# Altium PCB WX0.012.299PCB-4.2(4).PcbDoc (part 1 of 3) (continued)
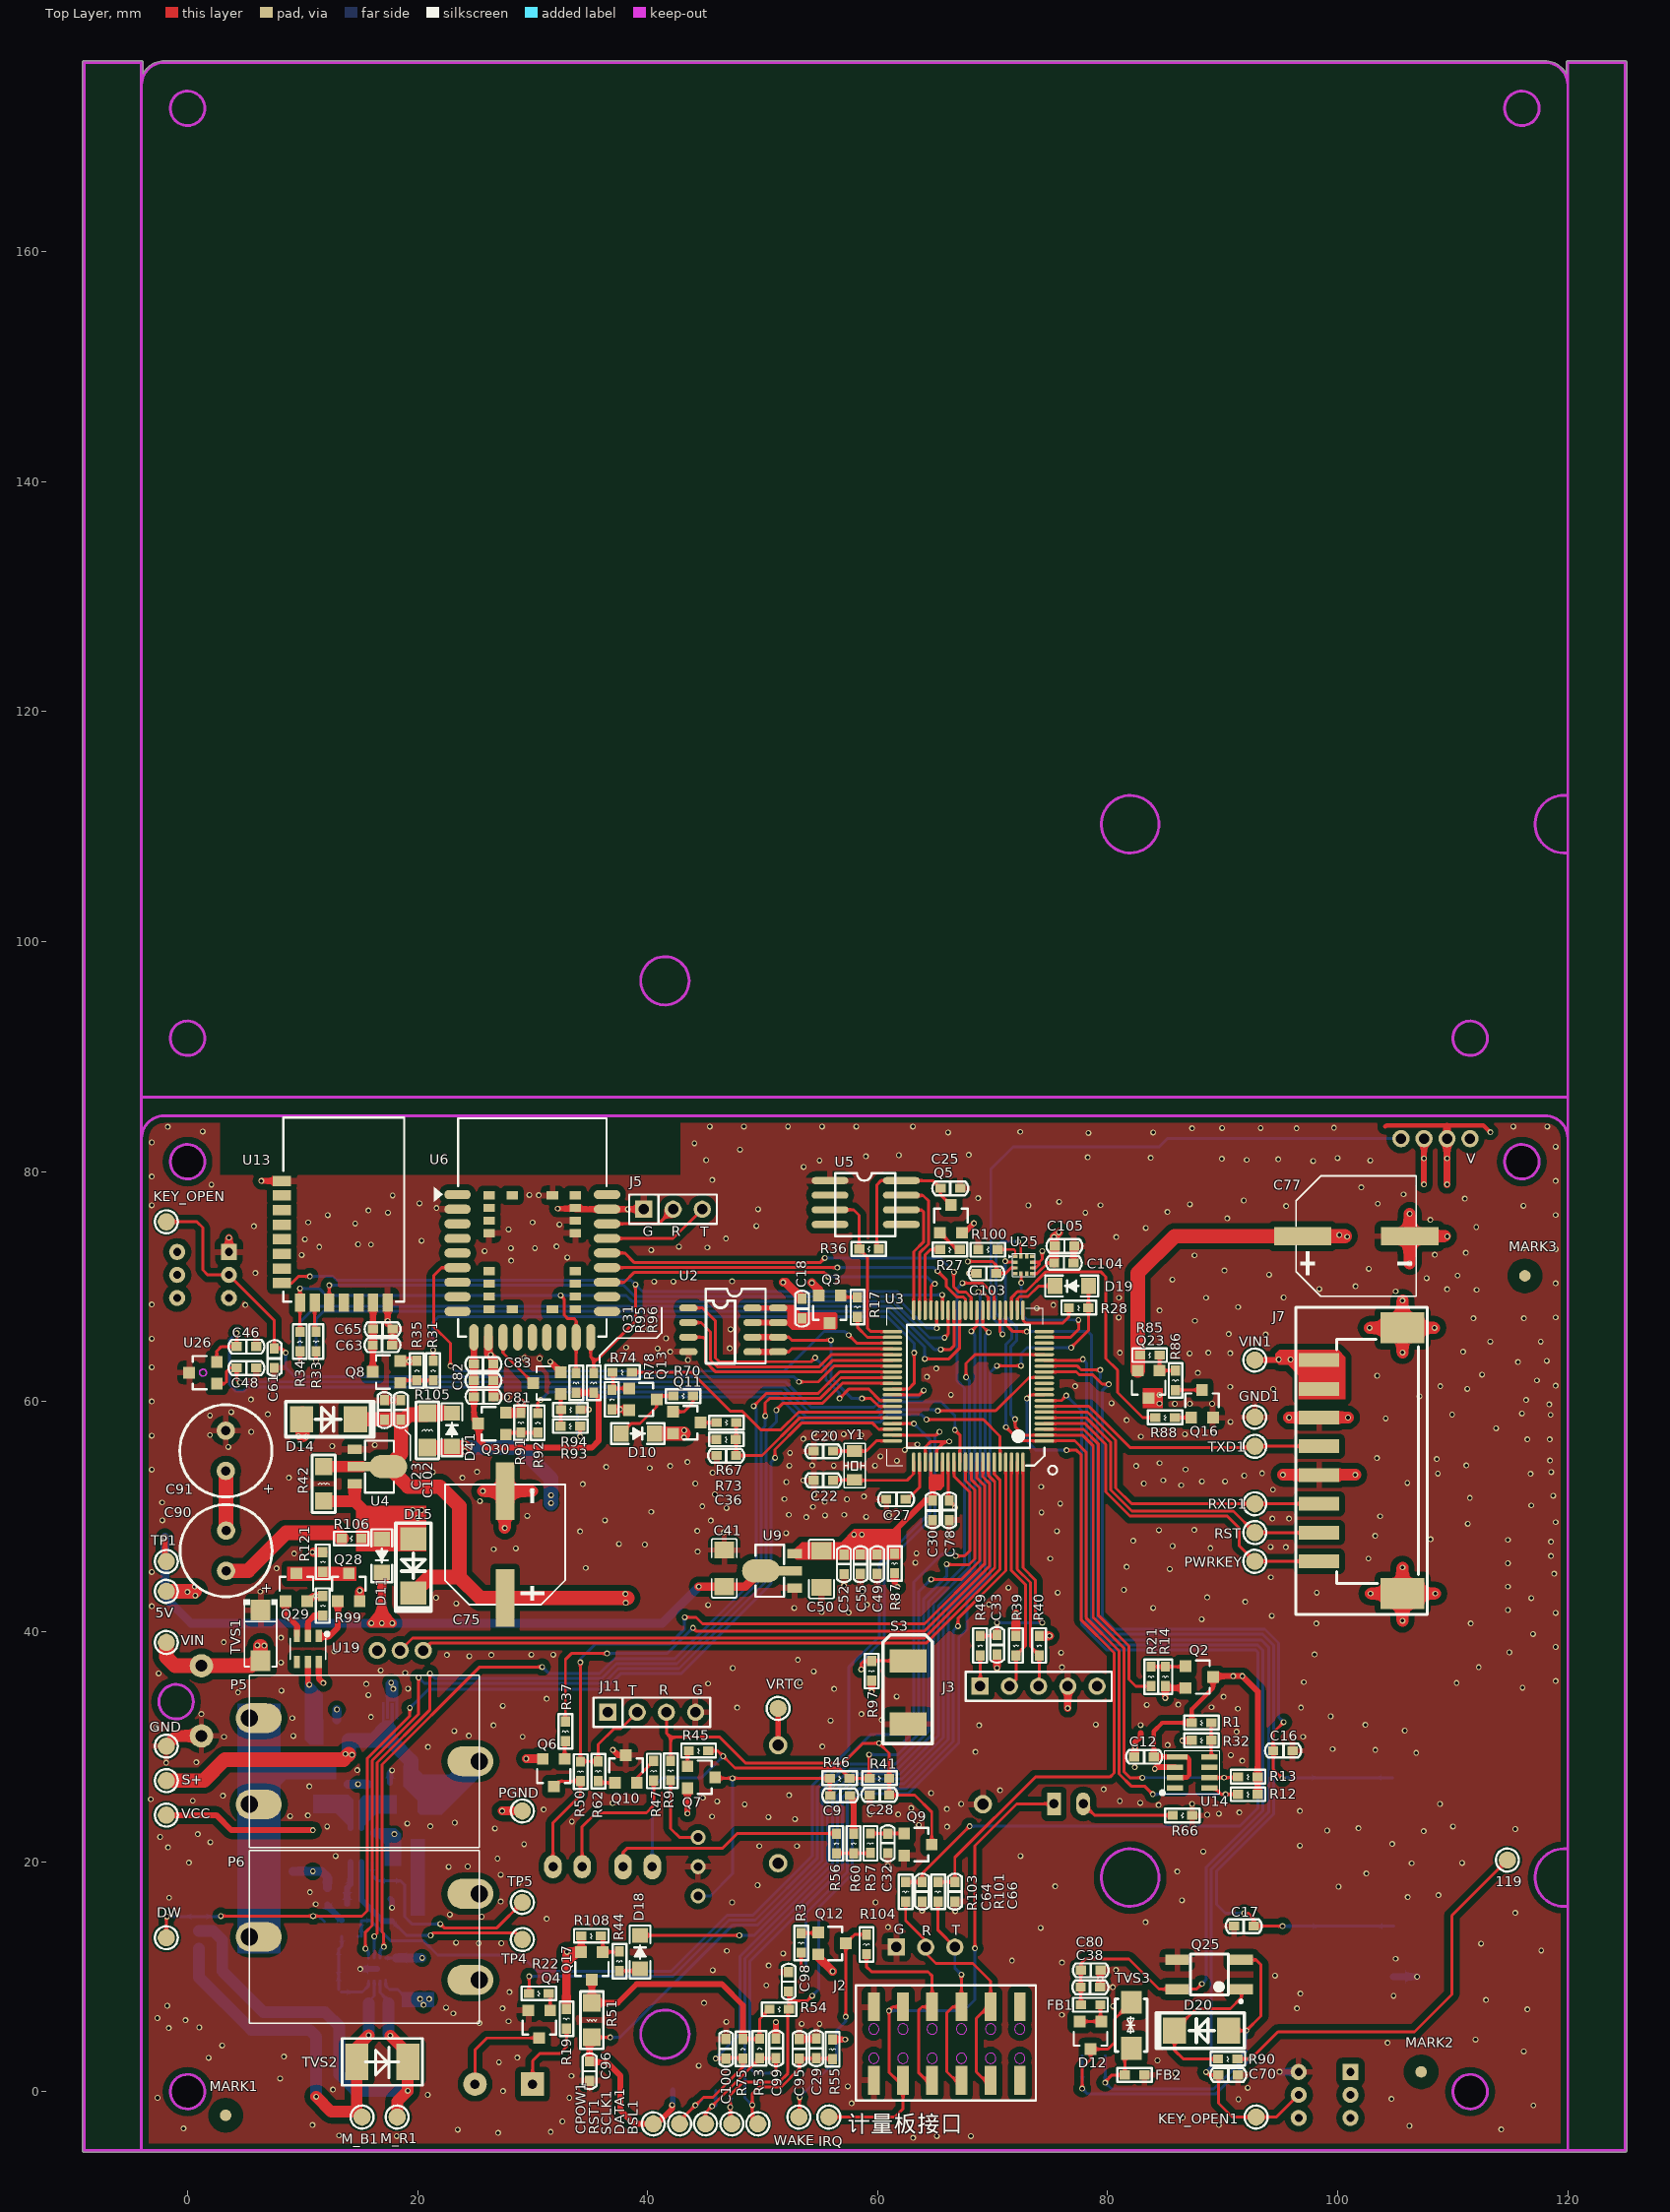
[diagram p0: Top Layer view]
## Classes and differential pairs (continued)

## Components (designator, comment, footprint, x,y, rotation, side; value= is the part's Value field where it differs from the comment)
5V "TEST-PAD" TEST-PAD -1.841,43.509 r90 top
119 "TEST-PAD" TEST-PAD 114.745,20.141 r0 top
* "Bar Code1" "Bar Code1" 56.236,9.119 r180 bottom
B1 "HYT-0903" HYT-0903 30,0.66 r180 bottom locked
BSL1 "TEST-PAD" TEST-PAD 49.581,-2.794 r90 top
C9 "100nF/50V" CAP0603#1 57.573,25.756 r180 top
C10 "100nF/50V" CAP0603#1 19.088,6.247 r90 bottom
C11 "100nF/50V" CAP0603#1 19.456,11.618 r270 bottom
C12 "100nF/50V" CAP0603#1 83.996,29.111 r180 top
C16 "100nF/50V" CAP0603#1 96.076,29.641 r180 top
C17 "100nF/50V" CAP0603#1 90.995,14.396 r0 top
C18 "100nF/50V" CAP0603#1 53.417,67.258 r90 top
C20 "12pF/50V" CAP0603#1 54.433,55.701 r0 top
C22 "12pF/50V" CAP0603#1 54.433,53.161 r0 top
C23 "1uF/16V" CAP0603#1 17.12,58.432 r90 top
C25 "100nF/50V" CAP0603#1 65.482,78.561 r0 top
C27 "100nF/50V" CAP0603#1 62.434,51.502 r180 top
C28 "100pF/50V" CAP0603#1 60.985,25.806 r180 top
C29 "100nF/50V" CAP0603#2 54.667,3.778 r270 top
C30 "100nF/50V" CAP0603#1 64.77,49.72 r90 top
C32 "10pF/50V" CAP0603#1 60.884,22.428 r270 top
C33 "33pF/50V" CAP0603#1 70.372,38.026 r90 top
C35 "1nF/50V" CAP0603#2 14.262,14.897 r180 bottom
C36 "1nF/50V" CAP0603#1 45.999,55.319 r0 top
C38 "100nF/50V" CAP0603#1 77.661,9.092 r0 top
C41 "100uF/10V" GRM31CR60J107ME39L 46.66,43.917 r90 top
C46 "1nF/50V" CAP0603#2 5.131,64.795 r0 top
C48 "1uF/16V" CAP0603#2 5.131,62.941 r0 top
C49 "22pF/50V" CAP0603#1 59.944,45.034 r90 top
C50 "100uF/10V" GRM31CR60J107ME39L 55.118,47.041 r270 top
C52 "1uF/10V" CAP0603#1 57.074,46.698 r270 top
C55 "100nF/50V" CAP0603#1 58.496,45.034 r90 top
C60 "100nF/50V" CAP0603#1 17.463,6.502 r180 bottom
C61 "100nF/50V" CAP0603#1 7.544,62.954 r90 top
C63 "10uF/10V" CAP0603#1 16.116,64.922 r0 top
C64 "33pF/50V" CAP0603#1 63.87,18.224 r270 top
C65 "1uF/16V" CAP0603#1 16.129,66.319 r0 top
C66 "33pF/50V" CAP0603#1 66.714,18.224 r270 top
C67 "100nF/50V" CAP0603#1 13.945,26.724 r270 bottom
C68 "100nF/50V" CAP0603#1 16.002,26.683 r270 bottom
C69 "10nF" CAP0603#1 13.868,17.729 r180 bottom
C70 "100nF/50V" CAP0603#1 91.313,1.448 r180 top
C71 "100nF/50V" CAP0603#1 17.602,26.873 r0 bottom
C72 "100nF/50V" CAP0603#1 12.967,32.334 r180 bottom
C75 "1000uF/16V" CAP-SMD_BD10.0-L10.3-W10.3-FD 27.61,47.574 r90 top locked
C77 "1000uF/16V" CAP-SMD_BD10.0-L10.3-W10.3-FD 101.6,74.397 r0 top locked
C78 "100nF/50V" CAP0603#1 66.218,51.384 r270 top
C80 "10nF/50V" CAP0603#2 78.525,10.565 r0 top
C81 "10uF/10V" CAP0603#1 24.907,60.427 r0 top
C82 "1uF/16V" CAP0603#1 24.892,61.849 r0 top
C83 "33pFF/16V" CAP0603#1 24.892,63.271 r0 top
C90 "1F/2.75V" CAPPC_350_800_1600 3.353,47.041 r90 top
C91 "1F/2.75V" CAPPC_350_800_1600 3.327,55.728 r90 top
C95 "33pF/50V" CAP0603#2 53.194,3.727 r90 top
C96 "33pF/50V" CAP0603#2 34.95,1.778 r90 top
C98 "33pF/50V" CAP0603#2 52.248,9.563 r90 top
C99 "33pF/50V" CAP0603#2 51.156,3.759 r90 top
C100 "33pF/50V" CAP0603#2 46.812,3.734 r90 top
C101 "33pF" CAP0603#2 16.612,7.899 r180 bottom locked
C102 "33pf" CAP0603#2 18.542,59.271 r90 top
C103 "100nF" CAP0603#2 69.457,71.171 r0 top
C104 "100nF" CAP0603#2 76.188,72.06 r180 top
C105 "105" CAP0603#2 76.238,73.533 r180 top
C106 "100nF/50V" CAP0603#1 11.913,14.77 r270 bottom
CPOW1 "TEST-PAD" TEST-PAD 40.488,-2.794 r90 top
D4 "AT205B" LEDRED 33.04,19.562 r180 bottom
D5 "AT405" IR_254_1000_500 39.136,19.562 r180 bottom
D9 "LED_T3R" LED2_300 75.331,25.023 r270 bottom
D10 "LL4148" SOD-123FL 37.622,57.226 r0 top
D11 "DS12W" SOD-123FL 16.891,48.131 r270 top
D12 "BAT54CLT1" SOT-23 78.506,4.901 r180 top
D14 "SS22" DO-214AC 12.255,58.471 r0 top
D15 "SS22" DO-214AC 19.634,45.707 r270 top
D18 "LL4148" SOD-123FL 39.345,10.617 r90 top
D19 "DSK14" SOD-123FL 78.397,70.053 r180 top
D20 "M7A" DO-214AC 88.15,5.31 r180 top
D41 "DS12W" SOD-123FL 22.987,56.035 r90 top
DATA1 "TEST-PAD" TEST-PAD 47.32,-2.794 r90 top
DW "TEST-PAD" TEST-PAD -1.841,13.386 r0 top
FB1 "FB03SN3000_30R" IND0603 77.661,7.568 r0 top
FB2 "FB03SN3000_30R" IND0603 83.185,1.448 r180 top
GND "TEST-PAD" TEST-PAD -1.841,30.047 r90 top
GND1 "TEST-PAD" TEST-PAD 92.787,58.658 r90 top
IRQ "TEST-PAD" TEST-PAD 55.753,-2.211 r0 top
J1 "PH2.0_2AWR" SMT2-2.0 12.192,0.305 r180 bottom
J2 "计量板接口" "计量板插座 2X6Pin" 66.01,4.17 r90 top locked
J3 "Header 5" HDR1X5 68.911,35.254 r0 top
J4 "1.25-6AWR" SMT-1.25-6 45.314,0.102 r180 bottom locked
J5 "PIN254_1*3" PIN254_1*3*WXHJ 39.675,76.733 r0 top
J6 "PH200_1*2R" BAT 61.595,25 r180 bottom locked
J7 "1*8_1" "A2502AWR 1*8" 102,54.868 r90 top locked
J10 "Header 4" SMT-1.25-4 0.991,14.605 r90 bottom
J11 "PIN254_1*4*WXHJ" PIN254_1*4*1100S 36.553,32.99 r0 top
K1 "SWS_4_600_600_430" SWS_4_600_600 100.775,25.094 r180 bottom locked
K2 "SWS_4_600_600_430" SWS_4_600_600 100.858,12.196 r180 bottom locked
KEY_OPEN "TEST-PAD" TEST-PAD -1.841,75.64 r90 top
KEY_OPEN1 "TEST-PAD" TEST-PAD 92.901,-2.211 r90 top
M_B1 "TEST-PAD" TEST-PAD 15.177,-2.211 r90 top
M_R1 "TEST-PAD" TEST-PAD 18.225,-2.211 r90 top
MARK1 "MARK" MARK 3.315,-2.058 r90 top
MARK2 "MARK" MARK 107.252,1.726 r90 top
MARK3 "MARK" MARK 116.269,70.941 r90 top
P1 "LCD_UJ-B1" LCD_JR-H25435AFP 63.996,60.619 r180 bottom locked
P2 "碱电6V" "Header 2" 1.207,30.936 r180 bottom
P3 "PH2.0-2P" SMT2-2.0 78.779,0.177 r180 bottom
P5 "ER14250" SPC1520_3 15.385,28.727 r0 top locked
P6 "ER14250" SPC1520_3 15.385,13.462 r180 top locked
P9 "Component_2" "PCBComponent_1 - duplicate"#1 61.634,12.572 r0 bottom
P10 "PH2.0-2P" "PCBComponent_1 - duplicate2" 17.094,32.131 r90 bottom
PGND "TEST-PAD" TEST-PAD 29.108,24.409 r90 top
PWRKEY "TEST-PAD" TEST-PAD 92.787,46.118 r90 top
Q2 "RZR040P01TL" SOT-23 87.961,36.052 r270 top
Q3 "PNPS-9012" SOT-23 55.83,68.02 r180 top
Q4 "NPNS-9013" SOT-23 30.582,5.867 r180 top
Q5 "PNPS-9012" SOT-23 66.371,75.894 r0 top
Q6 "PNPS-9012" SOT-23 31.839,27.736 r180 top
Q7 "PNPS-9012" SOT-23 44.666,27.339 r270 top
Q8 "UT3401ZG" SOT-23 17.297,62.586 r90 top
Q9 "NPNS-9013" SOT-23 63.5,21.488 r270 top
Q10 "PNPS-9012" SOT-23 38.113,28.066 r0 top
Q11 "PNPS-9012" SOT-23 43.417,58.176 r270 top
Q12 "PNPS-9012" SOT-23 56.02,12.893 r270 top
Q13 "NPNS-9013" SOT-23 39.586,60.198 r270 top
Q16 "NPNS-9013" SOT-23 88.204,59.815 r0 top
Q17 "PNPS-9012" SOT-23 35.154,10.947 r180 top
Q23 "UT3401ZG" SOT-23 83.556,61.504 r180 top
Q25 "01_EL357N9(D)(TA)-G" EL357D 88.836,10.186 r180 top
Q26 "RTR025N03TL" SOT-23 18.847,19.202 r90 bottom
Q27 "RTR025N03TL" SOT-23 18.847,15.799 r90 bottom
Q28 "RTR025N03TL" SOT-23 14.021,43.866 r0 top
Q29 "RTR025N03TL" SOT-23 9.464,43.866 r0 top
Q30 "RZR040P01TL" SOT-23 26.473,58.09 r90 top
Q31 "NPNS-9013" SOT-23 31.248,61.62 r90 top
R1 "10K 5%" RES0603 89.009,32.079 r180 top
R3 "3K 5%" RES0603 53.353,12.095 r90 top
R9 "51R 5%" RES0603 41.999,27.075 r90 top
R12 "5.1K 5%" RES0603 93.041,25.856 r180 top
R13 "5.1K 5%" RES0603 93.041,27.38 r180 top
R14 "2M 5%" RES0603 85,35.254 r90 top
R17 "3K 5%" RES0603 58.243,67.385 r90 top
R19 "51R 5%" RES0603 32.944,5.486 r90 top
R21 "200K 5%" RES0603 83.77,35.254 r90 top
R22 "3K 5%" RES0603 31.394,8.534 r180 top
R27 "3K 5%" RES0603 67.133,73.227 r180 top
R28 "10R 5%" RES0603 78.321,68.174 r180 top
R31 "200K 5%" RES0603 21.361,63.551 r270 top
R32 "10K 5%" RES0603 89.009,30.555 r180 top
R33 "1K 5%" RES0603 11.176,64.389 r90 top
R34 "1K 5%" RES0603 9.779,66.065 r270 top
R35 "2M 5%" RES0603 19.939,63.551 r270 top
R36 "20K 5%" RES0603 58.395,73.279 r0 top
R37 "3K 5%" RES0603 32.855,30.479 r90 top
R39 "10K 5%" RES0603 72.023,39.636 r270 top
R40 "10K 5%" RES0603 74.055,39.636 r270 top
R41 "20K 5%" RES0603 61,27.254 r180 top
R42 "0R 5%" RES1206 11.836,54.356 r270 top
R44 "3K 5%" RES0603 37.541,10.49 r90 top
R45 "3K 5%" RES0603 45.276,29.65 r180 top
R46 "0R 5%" RES0603 57.547,27.254 r180 top
R47 "100R 5%" RES0603 40.526,27.05 r90 top
R49 "100R 5%" RES0603 68.918,39.636 r270 top
R50 "20K 5%" RES0603 34.158,27 r90 top
R51 "51R 5%" RES1206 35.154,4.724 r90 top
R53 "10K 5%" RES0603 49.733,4.597 r270 top
R54 "10K 5%" RES0603 50.597,7.175 r0 top
R55 "1M 5%" RES0603 56.064,2.838 r90 top
R56 "0K 5%" RES0603 56.416,22.428 r270 top
R57 "20K 5%" RES0603 59.36,20.752 r90 top
R60 "47K 5%" RES0603 57.916,22.428 r270 top
R62 "3K 5%" RES0603 35.7,27.018 r90 top
R66 "100R 5%" RES0603 85.649,24.028 r0 top
R67 "47K 5%" RES0603 45.999,58.191 r0 top
R70 "10K 5%" RES0603 42.24,60.503 r0 top
R73 "10K 5%" RES0603 47.676,56.717 r180 top
R74 "10K 5%" RES0603 38.646,62.56 r180 top
R75 "10K 5%" RES0603 48.285,4.572 r270 top
R78 "20K 5%" RES0603 36.893,61.036 r270 top
R80 "1R" RES1206 10.106,11.151 r0 bottom
R81 "1R" RES1206 10.132,8.89 r0 bottom
R82 "22R 5%" RES0603 15.113,13.487 r180 bottom
R85 "2M 5%" RES0603 82.804,64.059 r0 top
R86 "100K 5%" RES0603 85.893,61.009 r90 top
R87 "0R 5%" RES0603 61.468,45.089 r90 top
R88 "3K 5%" RES0603 85.842,58.621 r180 top
R90 "1K 5%" RES0603 91.288,2.845 r180 top
R91 "2M 5%" RES0603 28.994,57.321 r90 top
R92 "200K 5%" RES0603 30.455,59.004 r270 top
R93 "3K 5%" RES0603 34.138,57.871 r180 top
R94 "20K 5%" RES0603 32.461,59.309 r0 top
R95 "5.1K 5%" RES0603 33.785,60.782 r90 top
R96 "5.1K 5%" RES0603 35.306,60.782 r90 top
R97 "1M 5%" RES0603 59.474,35.738 r90 top
R99 "1K 5%" RES0603 11.76,43.104 r270 top
R100 "4.7k" RES0603 68.745,73.228 r0 top
R101 "1K 5%" RES0603 65.253,16.534 r90 top
R103 "1K 5%" RES0603 62.433,16.535 r90 top
R104 "100R 5%" RES0603 59.017,11.962 r90 top
R105 "300R" RES1206 20.853,59.004 r270 top
R106 "0R 5%" RES0603 13.411,48.108 r0 top
R108 "330K 5%" RES0603 35.941,13.538 r180 top
R116 "1K 5%" RES0603 13.868,16.307 r180 bottom
R117 "RC03J_330R" RES1206 20.882,24.968 r180 bottom
R118 "RC03J_330R" RES1206 12.141,27.994 r270 bottom
R119 "RC03J_330R" RES1206 14.021,30.48 r180 bottom
R120 "0R 5%" RES0603 18.11,21.514 r0 bottom
R121 "0R 5%" RES0603 11.76,46.914 r270 top
R122 "0R 5%" RES0603 9.144,19.168 r180 bottom
RST "TEST-PAD" TEST-PAD 92.787,48.618 r90 top
RST1 "TEST-PAD" TEST-PAD 42.774,-2.794 r90 top
RXD1 "TEST-PAD" TEST-PAD 92.787,51.118 r90 top
S1 "Component_4" "PCBComponent_1 - duplicate5" 1.35,71.018 r180 bottom
S2 "Component_4" "PCBComponent_1 - duplicate5" 98.848,-0.282 r180 bottom
S3 "SWS_2_520_300_300" SWS_2_520_300 62.649,37.465 r90 top locked
S+ "TEST-PAD" TEST-PAD -1.841,27.047 r0 top
SCLK1 "TEST-PAD" TEST-PAD 45.034,-2.794 r90 top
TP1 "TEST-PAD" TEST-PAD -1.841,46.101 r0 top
TP4 "TEST-PAD" TEST-PAD 29.108,13.233 r180 top
TP5 "TEST-PAD" TEST-PAD 29.108,16.459 r0 top
TVS1 "SMAJ7.5A" "PCBComponent_1 - duplicate4" 6.35,39.683 r270 top
TVS2 "SMBJ6.0CA" DO-214AA 14.58,2.591 r0 top
TVS3 "SMAJ5.0CA" SMAJ5.0CA 82.042,7.772 r270 top
TXD1 "TEST-PAD" TEST-PAD 92.787,56.118 r90 top
U1 "07_DRV8837DSGR" S-PWSON-N8 16.485,10.668 r90 bottom
U2 "MX25L3206EM2I-12G" SOP-8L-200MIL/SOP-8 43.543,68.147 r0 top
U3 "FM33LG0x8" LQFP80 67.883,61.345 r180 top locked
U4 "CE6232A50P" SOT-89 15.443,54.356 r270 top
U5 "ESAM" SOP-8L-200MIL 55.055,79.223 r0 top
U6 "L-NLEEB21-G5BP4" L-NLEEB21-G5BP4 23.475,78.007 r0 top locked
U7 "MM3220AA1NRH" SOT-23-6 16.073,19.954 r90 bottom
U9 "CE6232A33P" SOT-89 51.867,45.288 r90 top
U12 "IRM-3638T" 接收头 44.387,19.562 r180 bottom locked
U13 "DB809" DB809 8.192,70.306 r0 top locked
U14 "07_HP303B" HP303B 87.335,27.761 r0 top
U19 "R5478N102CD-TR-FF" SOT-23-6_L2.9-W1.6-P0.95-LS2.8-BL 10.47,38.5 r180 top
U25 "DA228" "PCBComponent_1 - duplicate"#2 72.708,71.882 r90 top
U26 "S-5712ACDL1" SOT-23 1.349,62.52 r90 top
VCC "TEST-PAD" TEST-PAD -1.841,24.047 r90 top
VIN "TEST-PAD" TEST-PAD -1.841,39.064 r180 top
VIN1 "TEST-PAD" TEST-PAD 92.787,63.618 r90 top
VRTC "TEST-PAD" TEST-PAD 51.345,33.325 r0 top
WAKE "TEST-PAD" TEST-PAD 53.15,-2.211 r90 top
Y1 "XTALSG12MD_32.768kD" SMD-3215_2P 57.989,55.701 r270 top

## Footprints (in the part's own frame and the unit in brackets; to place one, negate y for a bottom-side part, rotate by r counter-clockwise, add the part's x,y. Pads: shape width x height; smd on the part's side, far side on the other; paste and mask are expansions set on the pad)
"A2502AWR 1*8" [mm]
  rect 1.2x3.5 smd: 1(-8.75,3.625) 2(-6.25,3.625) 3(-3.75,3.625) 4(-1.25,3.625) 5(1.25,3.625) 6(3.75,3.625) 7(6.25,3.625) 8(8.75,3.625)
  rect 2.7x3.8 smd: 9(-11.55,-3.625) 10(11.55,-3.625)
  silkscreen extent -13.35,-5.77 13.35,5.66
"Bar Code1" [mm]
  silkscreen extent 0,0 24.5,6.5
BAT [mm]
  round 1.6 hole 1: 1(10.25,-5.13) 1(10.25,5.13) 2(-7.55,0)
  silkscreen extent -10.25,-10.25 11.43,10.25
CAP0603#1 [mil]
  rect 35x31 smd: 1(-0.49,0) 2(66.51,0)
  silkscreen extent -29,-24 94,23, body extent 1,-15 72,15, height 20
CAP0603#2 [mil]
  rect 35x31 smd: 1(-33.5,0) 2(33.5,0)
  silkscreen extent -61,-24 61,23, body extent -32,-15 39,15, height 20
CAP-SMD_BD10.0-L10.3-W10.3-FD [mm]
  rect 5x1.6 smd: 1(-4.65,0) 2(4.65,0)
  silkscreen extent -5.23,-5.23 5.23,5.23
CAPPC_350_800_1600 [mm]
  round 1.6 hole 0.8: 1(-1.75,0) 2(1.75,0)
  silkscreen extent -4,-4 4,4, body extent -4.01,-4 3.97,4, height 15.11
DB809 [mm]
  rect 1.6x0.9 smd: 1(0,8.89) 2(0,7.62) 3(0,6.35) 4(0,5.08) 5(0,3.81) 6(0,2.54) 7(0,1.27) 8(0,0)
  rect 0.9x1.6 smd: 9(1.59,-1.7) 10(2.86,-1.7) 11(4.13,-1.7) 12(5.4,-1.7) 13(6.67,-1.7) 14(7.94,-1.7) 15(9.21,-1.7)
  silkscreen extent 0.15,-1.6 10.65,14.4
DO-214AA [mil]
  rect 80x125 smd: 1(5,0) 2(180,0)
  silkscreen extent -45,-80 230,80, body extent -13,-77 203,77, height 96
DO-214AC [mil]
  rect 80x90.55 smd: 1(-92.5,0) 2(92.5,0)
  silkscreen extent -146,-60 156,60, body extent -91,-53 90,53, height 94
EL357D [mil]
  rect 80x35 smd: 1(-110,50) 2(-110,-50) 3(110,-50) 4(110,50)
  silkscreen extent -113,-70 65,97
GRM31CR60J107ME39L [mm]
  rect 1.485x1.728 smd: 1(0,0) 2(3.185,0)
  silkscreen extent -0.97,-1.09 4.16,1.09
HDR1X5 [mm] "Connector; Header; 5 Position"
  rect 1.5x1.5 hole 0.9: 1(0,0)
  round 1.5 hole 0.9: 2(2.54,0) 3(5.08,0) 4(7.62,0) 5(10.16,0)
  silkscreen extent -1.27,-1.27 11.43,1.27
"Header 2" [mil]
  round 80 hole 40: 1(0,240) 2(0,0)
  Keep-Out Layer circle w10: c86.51,116.99 r59.05
  silkscreen extent -55,-57 64,295
HP303B [mm]
  rect 1.8x0.5 smd: 1(-1.3,1.35)
  rect 1.4x0.5 smd: 2(-1.5,0.45) 3(-1.5,-0.45) 4(-1.5,-1.35) 5(1.5,-1.35) 6(1.5,-0.45) 7(1.5,0.45) 8(1.5,1.35)
  silkscreen extent -2.74,-1.92 2.39,1.9
HYT-0903 [mil]
  rect 80x80 hole 32: 1(0,0)
  round 80 hole 32: 2(196.85,0)
  silkscreen extent -79,-177 275,177, body extent -78,-176 276,176, height 217
IND0603 [mil]
  rect 35x31 smd: 1(0,0) 2(67,0)
  silkscreen extent -26,-24 92,23, body extent 0,-15 71,15, height 12
IR_254_1000_500 [mil]
  oval 60x86.61 hole 32: 1(50,0) 2(-50,0)
  silkscreen extent -103,-118 118,118
L-NLEEB21-G5BP4 [mm]
  oval 2.3x0.8 smd mask+0.051: 1(0,0) 2(0,-1.27) 3(0,-2.54) 4(0,-3.81) 5(0,-5.08) 6(0,-6.35) 7(0,-7.62) 8(0,-8.89) 9(0,-10.16) 19(13,-10.16) 20(13,-8.89) 21(13,-7.62) 22(13,-6.35) 23(13,-5.08) 24(13,-3.81) 25(13,-2.54) 26(13,-1.27) 27(13,0)
  oval 1.5x0.8 on Mech1 mask+0.051: 1(0.4,0) 2(0.4,-1.27) 3(0.4,-2.54) 4(0.4,-3.81) 5(0.4,-5.08) 6(0.4,-6.35) 7(0.4,-7.62) 8(0.4,-8.89) 9(0.4,-10.16) 19(12.6,-10.16) 20(12.6,-8.89) 21(12.6,-7.62) 22(12.6,-6.35) 23(12.6,-5.08) 24(12.6,-3.81) 25(12.6,-2.54) 26(12.6,-1.27) 27(12.6,0)
  rect 0.4x0.4 on Mech1 paste-2 mask+0.102: 1(10.22,1.04) 2(12.05,1.04)
  oval 0.8x1.5 on Mech1 mask+0.051: 10(1.42,-12.01) 11(2.69,-12.01) 12(3.96,-12.01) 13(5.23,-12.01) 14(6.5,-12.01) 15(7.77,-12.01) 16(9.04,-12.01) 17(10.31,-12.01) 18(11.58,-12.01)
  oval 0.8x2.3 smd mask+0.051: 10(1.42,-12.41) 11(2.69,-12.41) 12(3.96,-12.41) 13(5.23,-12.41) 14(6.5,-12.41) 15(7.77,-12.41) 16(9.04,-12.41) 17(10.31,-12.41) 18(11.58,-12.41)
  rect 1x0.7 smd: 28(10.25,-6.66) 29(10.25,-3.36) 30(10.25,-2.26) 31(10.25,-1.16) 32(10.25,-0.06) 33(8.25,-0.06) 34(4.75,-0.06) 35(2.75,-0.06) 36(2.75,-1.16) 37(2.75,-2.26) 38(2.75,-3.36) 39(2.75,-6.66) 40(2.75,-7.76) 41(2.75,-8.86) 42(2.75,-9.96) 43(4.75,-9.96) 44(8.25,-9.96) 45(10.25,-9.96) 46(10.25,-8.86) 47(10.25,-7.76)
  silkscreen extent -2.04,-12.36 12.95,6.64, body extent 0.05,-12.36 12.95,6.64, height 3
LCD_JR-H25435AFP [mm]
  round 1.5 hole 0.9: 1(-47.5,22.25) 2(-45.5,22.25) 3(-43.5,22.25) 4(-41.5,22.25) 6(43.5,-22.25) 7(45.5,-22.25) 8(47.5,-22.25)
  silkscreen extent -56,-23.75 56,23.75
LED2_300 [mm]
  rect 2x1.2 hole 0.813: 1(0,0)
  oval 2x1.2 hole 0.813: 2(0,-2.54)
  silkscreen extent -2.16,-2.53 2.16,0.91, body extent -1.65,-2.91 1.64,0.39, height 5.51
LEDRED [mil]
  oval 60x78.74 hole 32: 1(50,0) 2(-50,0)
  silkscreen extent -103,-118 118,118
LQFP80 [mm]
  oval 1.7x0.3 smd: 1(-6.6,4.75) 2(-6.6,4.25) 3(-6.6,3.75) 4(-6.6,3.25) 5(-6.6,2.75) 6(-6.6,2.25) 7(-6.6,1.75) 8(-6.6,1.25) 9(-6.6,0.75) 10(-6.6,0.25) 11(-6.6,-0.25) 12(-6.6,-0.75) 13(-6.6,-1.25) 14(-6.6,-1.75) 15(-6.6,-2.25) 16(-6.6,-2.75) 17(-6.6,-3.25) 18(-6.6,-3.75) 19(-6.6,-4.25) 20(-6.6,-4.75) 41(6.6,-4.75) 42(6.6,-4.25) 43(6.6,-3.75) 44(6.6,-3.25) 45(6.6,-2.75) 46(6.6,-2.25) 47(6.6,-1.75) 48(6.6,-1.25) 49(6.6,-0.75) 50(6.6,-0.25) 51(6.6,0.25) 52(6.6,0.75) 53(6.6,1.25) 54(6.6,1.75) 55(6.6,2.25) 56(6.6,2.75) 57(6.6,3.25) 58(6.6,3.75) 59(6.6,4.25) 60(6.6,4.75)
  oval 0.3x1.7 smd: 21(-4.75,-6.6) 22(-4.25,-6.6) 23(-3.75,-6.6) 24(-3.25,-6.6) 25(-2.75,-6.6) 26(-2.25,-6.6) 27(-1.75,-6.6) 28(-1.25,-6.6) 29(-0.75,-6.6) 30(-0.25,-6.6) 31(0.25,-6.6) 32(0.75,-6.6) 33(1.25,-6.6) 34(1.75,-6.6) 35(2.25,-6.6) 36(2.75,-6.6) 37(3.25,-6.6) 38(3.75,-6.6) 39(4.25,-6.6) 40(4.75,-6.6) 61(4.75,6.6) 62(4.25,6.6) 63(3.75,6.6) 64(3.25,6.6) 65(2.75,6.6) 66(2.25,6.6) 67(1.75,6.6) 68(1.25,6.6) 69(0.75,6.6) 70(0.25,6.6) 71(-0.25,6.6) 72(-0.75,6.6) 73(-1.25,6.6) 74(-1.75,6.6) 75(-2.25,6.6) 76(-2.75,6.6) 77(-3.25,6.6) 78(-3.75,6.6) 79(-4.25,6.6) 80(-4.75,6.6)
  silkscreen extent -6.62,-6.81 7.1,6.91, body extent -5.33,-5.33 5.36,5.33, height 2
MARK [mm]
  round 1 smd: 0(0,0)
  round 1 smd far side: 1(0,0)
  Top Layer pour cut-out: -1.5,0 -1.386,-0.574 -1.061,-1.061 -0.574,-1.386 0,-1.5 0,-1.5 0.574,-1.386 1.061,-1.061 1.386,-0.574 1.5,0 1.5,0 1.386,0.574 1.061,1.061 0.574,1.386 0,1.5 0,1.5 -0.574,1.386 -1.061,1.061 -1.386,0.574 -1.5,0
  Bottom Layer pour cut-out: -1.5,0 -1.386,-0.574 -1.061,-1.061 -0.574,-1.386 0,-1.5 0,-1.5 0.574,-1.386 1.061,-1.061 1.386,-0.574 1.5,0 1.5,0 1.386,0.574 1.061,1.061 0.574,1.386 0,1.5 0,1.5 -0.574,1.386 -1.061,1.061 -1.386,0.574 -1.5,0
"PCBComponent_1 - duplicate"#1 [mm]
  rect 1.5x1.5 hole 0.9: 1(0,0)
  round 1.5 hole 0.9: 2(2.54,0) 3(5.08,0)
  silkscreen extent -1.27,-1.27 6.35,1.27
"PCBComponent_1 - duplicate"#2 [mm]
  rect 0.28x0.4 smd mask+0.05: 1(0.75,0.75) 2(0.25,0.75) 3(-0.25,0.75) 4(-0.75,0.75) 7(-0.75,-0.75) 8(-0.25,-0.75) 9(0.25,-0.75) 10(0.75,-0.75)
  rect 0.4x0.28 smd mask+0.05: 5(-0.75,0.25) 6(-0.75,-0.25) 11(0.75,-0.25) 12(0.75,0.25)
  silkscreen extent -1,-1 1,1.27
"PCBComponent_1 - duplicate2" [mm]
  round 0.3 smd mask+0: 1(0,0) 2(1.981,1.041)
  Top Layer region: 2.134,1.219 2.134,0.203 0.33,0.203 0.33,0.406 1.829,0.406 1.829,0.991 0.254,0.991 0.254,1.219
  Top Layer region: -0.152,-0.178 -0.152,0.813 1.651,0.813 1.651,0.584 0.152,0.584 0.152,0.025 1.721,0.025 1.721,-0.178
"PCBComponent_1 - duplicate4" [mm]
  rect 1.8x1.7 smd: 1(-2.192,0) 2(2.192,0)
  silkscreen extent -3.11,-1.48 2.73,1.48
"PCBComponent_1 - duplicate5" [mm]
  rect 1.4x1.4 hole 0.7: 1(-2.25,2)
  round 1.4 hole 0.7: 2(-2.25,0) 3(-2.25,-2) 4(2.25,-2) 5(2.25,0) 6(2.25,2)
  silkscreen extent -3.09,-2.93 3.11,3.56
PIN254_1*3*WXHJ [mm]
  rect 1.5x1.5 hole 0.9: 1(0,0)
  round 1.5 hole 0.9: 2(2.54,0) 3(5.08,0)
  silkscreen extent -1.27,-1.27 6.35,1.27
PIN254_1*4*1100S [mm] "Connector; Header; 4 Position"
  rect 1.5x1.5 hole 0.9: 1(0,0)
  round 1.5 hole 0.9: 2(2.54,0) 3(5.08,0) 4(7.62,0)
  silkscreen extent -1.27,-1.27 8.89,1.27, body extent -1.3,-1.3 8.86,1.24, height 8.54
RES0603 [mil]
  rect 35x31 smd: 1(0,0) 2(67,0)
  silkscreen extent -26,-24 92,23, body extent 0,-15 71,15, height 12
RES1206 [mil]
  rect 60x60 smd: 1(0,0) 2(118.11,0)
  silkscreen extent -39,-39 157,39, body extent -28,-29 150,29, height 20
S-PWSON-N8 [mm]
  rect 0.5x0.28 smd: 1(-0.95,0.75) 2(-0.95,0.25) 3(-0.95,-0.25) 4(-0.95,-0.75) 5(0.95,-0.75) 6(0.95,-0.25) 7(0.95,0.25) 8(0.95,0.75)
  rect 0.9x1.6 smd: 9(0,0)
  silkscreen extent -1.09,-1.05 1.04,1.52, body extent -0.98,-1 1.02,1, height 0.77
SMAJ5.0CA [mm]
  rect 2x1.8 smd: 1(0,0) 2(4,0)
  silkscreen extent -0.3,-1.4 4.3,1.4
SMD-3215_2P [mm]
  rect 1x1.3 smd: 1(0,0) 2(2.5,0)
  silkscreen extent -0.69,-0.91 3.19,0.91, body extent -0.3,-0.99 2.9,0.99, height 0.7
SMT2-2.0 [mm]
  oval 1x3.8 smd: 1(1,2.95) 2(-1,2.95)
  rect 1.5x3.4 smd: 3(-3.35,-2.95) 4(3.35,-2.95)
  silkscreen extent -4.67,-5.15 4.57,5.2
SMT-1.25-4 [mm]
  oval 0.5x1.6 smd: 1(-1.875,0) 2(-0.625,0) 3(0.625,0) 4(1.875,0)
  rect 2.1x3 smd: 5(-4.425,-2.9) 6(4.425,-2.9)
  silkscreen extent -5.92,-4.95 5.77,1.1
SMT-1.25-6 [mm]
  oval 0.5x1.6 smd: 1(-3.125,0) 2(-1.875,0) 3(-0.625,0) 4(0.625,0) 5(1.875,0) 6(3.125,0)
  rect 2.1x3 smd: 7(-5.625,-2.9) 8(5.675,-2.9)
  silkscreen extent -7.02,-4.95 7.02,1.1
SOD-123FL [mm]
  rect 1.3x1.4 smd: 1(0.074,0) 2(2.974,0)
  silkscreen extent -0.78,-0.9 3.82,0.9, body extent -0.28,-0.82 3.32,0.82, height 0.95
SOP-8L-200MIL [mm]
  oval 3.2x0.61 smd: 1(0.8,0) 2(0.8,-1.27) 3(0.8,-2.54) 4(0.8,-3.81) 5(7,-3.81) 6(7,-2.54) 7(7,-1.27) 8(7,0)
  silkscreen extent 1.27,-4.83 6.48,0.66, body extent 0.89,-4.35 6.89,0.55, height 1.7
SOP-8L-200MIL/SOP-8 [mm]
  oval 1.6x0.61 smd: 1(0,0) 2(0,-1.27) 3(0,-2.54) 4(0,-3.81) 5(5.588,-3.81) 5(7.8,-3.81) 6(5.588,-2.54) 6(7.8,-2.54) 7(5.588,-1.27) 7(7.8,-1.27) 8(5.588,0) 8(7.8,0)
  Top Layer lines w0.5: 5.588,-3.81 7.8,-3.81 ; 5.588,-2.54 7.8,-2.54 ; 5.588,-1.27 7.8,-1.27 ; 5.588,0 7.8,0
  silkscreen extent 1.5,-4.83 6.71,1.68, body extent -0.18,-4.35 5.82,0.55, height 1.7
SOT-23 [mil]
  rect 40x40 smd: 1(-37.4,-47.24) 2(37.4,-47.24) 3(0,47.24)
  silkscreen extent -57,-12 57,35, body extent -57,-55 57,55, height 47
SOT-23-6 [mil]
  rect 50x20 smd: 1(0,0) 2(0,-37.4) 3(0,-74.8) 4(100,-74.8) 5(100,-37.4) 6(100,0)
  silkscreen extent 27,-86 72,10, body extent -7,-94 103,20, height 57
SOT-23-6_L2.9-W1.6-P0.95-LS2.8-BL [mm]
  rect 0.532x1.072 smd paste+0.051 mask+0: 1(-0.95,-1.149) 2(0,-1.149) 3(0.95,-1.149) 4(0.95,1.149) 5(0,1.149) 6(-0.95,1.149)
  silkscreen extent -1.82,-1.45 1.54,0.89
SOT-89 [mm]
  rect 0.8x1.27 smd: 1(-1.5,-0.9) 3(1.5,-0.9)
  oval 2x3.3 smd: 2(0,2)
  rect 0.8x2.54 smd: 2(0,-0.265)
  silkscreen extent -2.25,0 2.25,2.5, body extent -2.25,-1.02 2.25,2.92, height 1.4
SPC1520_3 [mm]
  oval 4x2.6 hole 1.5 copper offset -0.8,0: 1(10,0)
  oval 4x2.6 hole 1.5 copper offset 0.8,0: 2(-10,3.75) 3(-10,-3.75)
  silkscreen extent -10,-7.5 10,7.5
SWS_2_520_300 [mm]
  rect 2x3.2 smd: 1(0,0) 2(-5.5,0)
  silkscreen extent -7.2,-2.08 2.25,2.2
SWS_4_600_600 [mm]
  rect 2x1.2 smd: 1(-4,2.2) 1(4,2.2) 2(-4,-2.2) 2(4,-2.2)
  silkscreen extent -3,-3 3,3, body extent -3.18,-3.18 3.18,3.18, height 4.5
TEST-PAD [mm]
  round 1.5 smd: 1(0,0)
  silkscreen extent -1,-1 1,1
接收头 [mm]
  round 1.3 hole 0.75: 1(0,2.54) 2(0,0) 3(0,-2.54)
  silkscreen extent -1.35,-3.43 8.31,3.43
"计量板插座 2X6Pin" [mm]
  rect 2.5x1.02 smd: 1(-3.193,-6.35) 2(3.208,-6.35) 3(-3.193,-3.81) 4(3.208,-3.81) 5(-3.193,-1.27) 6(3.208,-1.27) 7(-3.193,1.27) 8(3.208,1.27) 9(-3.193,3.81) 10(3.208,3.81) 11(-3.193,6.35) 12(3.208,6.35)
  Keep-Out Layer circle w0.1: c1.277,-1.27 r0.45
  Keep-Out Layer circle w0.1: c-1.263,-6.35 r0.45
  Keep-Out Layer circle w0.1: c-1.263,6.35 r0.45
  Keep-Out Layer circle w0.1: c1.277,-6.35 r0.45
  Keep-Out Layer circle w0.1: c-1.263,-3.81 r0.45
  Keep-Out Layer circle w0.1: c-1.263,-1.27 r0.45
  Keep-Out Layer circle w0.1: c1.277,3.81 r0.45
  Keep-Out Layer circle w0.1: c-1.263,1.27 r0.45
  Keep-Out Layer circle w0.1: c1.277,6.35 r0.45
  Keep-Out Layer circle w0.1: c-1.263,3.81 r0.45
  Keep-Out Layer circle w0.1: c1.277,-3.81 r0.45
  Keep-Out Layer circle w0.1: c1.277,1.27 r0.45
  silkscreen extent -4.95,-7.75 5.08,7.89

## Part data
5V 119 BSL1 CPOW1 DATA1 DW GND GND1 IRQ KEY_OPEN KEY_OPEN1 M_B1 M_R1 PGND PWRKEY RST RST1 RXD1 S+ SCLK1 TP1 TP4 TP5 TXD1 VCC VIN VIN1 VRTC WAKE: library part AD_WXHJ_TEST-PAD_01, "单面焊盘测试点", Part Name=测试点, ID=23, Part Number=AD_WXHJ_TEST-PAD_01, SMD/DIP=SMD
*: library part "AD_WXHJ_Bar Code_02", "条形码 ,填充，无需焊接器件", Part Name=条形码, ID=17, Part Number="AD_WXHJ_Bar Code_02", SMD/DIP=SMD
B1: library part 1010602-0007, "直插,直径9mm,高5.5mm,5 V,2 V,30 mA,兴化市华宇电子有限公司,HYT-0903", Part Name=有源蜂鸣器, ID=28, Part Number=1010602-0007, SMD/DIP=DIP
C9 C10 C11 C12 C16 C17 C18 C25 C27 C29 C30 C35 C38 C55 C60 C61 C67 C68 C70 C71 C72 C78 C80 C101 C106: library part 101020103-0021, "104pF,50 V,±10%,0603,国巨,CC0603KRX7R9BB104", Part Name=0603贴片电容, Part Number=101020103-0021, SMD/DIP=SMD
  C9 C12 C16 C17 C25 C27 C29 C30 C35 C38 C60 C61 C67 C68 C70 C71 C72 C78 C80 C101 C106: ID=3
  C10 C11 C18 C55: ID=12
C20 C22 C49: library part 101020103-0009, "22pF,50 V,±5%,0603,国巨,CC0603JRNPO9BN22", Part Name=0603贴片电容, ID=16, Part Number=101020103-0009, SMD/DIP=SMD
C23 C48 C65 C82 C83 C102: library part 101020103-0003, "105pF,16 V,±10%,0603,国巨,CC0603KRX7R7BB105", Part Name=0603贴片电容, ID=14, Part Number=101020103-0003, SMD/DIP=SMD
C28: library part 101020103-0010, "101pf,50 V,±5%,0603,国巨,CC0603JRNP09BN101", Part Name=0603贴片电容, ID=4, Part Number=101020103-0010, SMD/DIP=SMD
C32: library part 101020103-0014, "10pF,50 V,±5%,0603,X7R,国巨,CC0603JRNPO9BN100", Part Name=0603贴片电容, ID=7, Part Number=101020103-0014, SMD/DIP=SMD
C33 C64 C66 C95 C96 C98 C99 C100 C103 C104 C105: library part 101020103-0027, "33pF,50 V,±10%,0603,国巨,CC0603KRNPO9BN33", Part Name=0603贴片电容, Part Number=101020103-0027, SMD/DIP=SMD
  C33 C64 C66 C103 C104 C105: ID=17
  C95 C96 C98 C99 C100: ID=18
C36 C46: library part 101020103-0022, "102pF,50 V,±10%,0603,国巨,CC0603KRX7R9BB102", Part Name=0603贴片电容, Part Number=101020103-0022, SMD/DIP=SMD
  C36: ID=14
  C46: ID=13
C41 C52 C63 C81: library part 101020103-0026, "106pF,10 V,±10%,0603,村田,GRM188R61A106KE47D", Part Name=0603贴片电容, ID=8, Part Number=101020103-0026, SMD/DIP=SMD
C50: library part 1010205-0006, "100UF,10 V,±20%,3528,AVX / KEMET,TAJB107M010RNJ", Part Name=3528贴片钽电容, ID=5, Part Number=1010205-0006, SMD/DIP=SMD
C69: library part 101020103-0021, "103pF,50 V,±10%,0603,国巨,CC0603KRX7R9BB104", Part Name=0603贴片电容, ID=3, SMD/DIP=SMD
C75 C77: library part 1010203-0029, "1000uF,16 V,±20%,8*20mm,Rubycon,16ZLH1000M", Part Name=电解电容, ID=2, Part Number=1010203-0029, SMD/DIP=DIP
C90 C91: library part 1010202-0015, "1F,2.75 V,-20%~+20%,8mm*16mm,红宝石,2.7 DMC 1 M MY4 8X16", Part Name=法拉电容, ID=12, Part Number=1010202-0015, SMD/DIP=DIP
D4: library part 101040101-0034, "直插,Φ5.8mm圆头透明色，,0.1 A,4 V,5 V,上海品观电子有限公司,AT205B", Part Name=红外发射管, ID=37, Part Number=101040101-0034, SMD/DIP=DIP
D5: library part 101040101-0035, "Φ5.8mm圆头黑色，光电接收管,Φ5.8mm,0.01 A,1.2 V,60 V,上海品观电子,AT405-PD-01", Part Name=光敏二极管, ID=4, Part Number=101040101-0035, SMD/DIP=DIP
D9: library part 101040102-0001, "圆形插件,3mm 圆形,插件,红光,湖北匡通电子有限公司,3BB4HC", Part Name=发光二极管, ID=7, Part Number=101040102-0001, SMD/DIP=DIP
D10 D18: library part 101040101-0005, "4148,4148,0.2 A,1 V,100 V,先科,LL4148", Part Name=贴片二极管, ID=11, Part Number=101040101-0005, SMD/DIP=SMD, Text Field1=010101020002, Text Field2=10
D11 D41: library part 101040101-0048, "DS12W,SOD-123FL,1 A,0.55 V,20 V,领晨科技,DS12W", Part Name=贴片肖特基, ID=8, Part Number=101040101-0048, SMD/DIP=SMD
D12: library part 101040101-0038, "BAT54CLT1，SOT23-3,SOT23-3,0.2 A,0.8 V,30 V,安森美,BAT54CLT1", Part Name=贴片肖特基, ID=31, Part Number=101040101-0038, SMD/DIP=SMD
D14 D15: library part 101040101-0009, "SS12,DO-214AC,1 A,0.55 V,20 V,昶鑫,SS12", Part Name=贴片肖特基, ID=14, Part Number=101040101-0009, SMD/DIP=SMD
D19: library part DIODE, "二极管，Diode"
D20: library part 101040101-0008, "M7A,DO-214AC,1 A,1.1 V,1000 V,杭州闽达电子有限公司,M7A", Part Name=贴片肖特基, ID=12, Part Number=101040101-0008, SMD/DIP=SMD
FB1 FB2: library part 109010101-0003, "chilisin(奇力新),0603,30Ω ±25% @100MHz,150 V,125 ℃,PBY160808T-300Y-N,-55 ℃,不含铅,,,圆盘,30Ω ±25% @100MHz", Part Name=磁珠, ID=25, Part Number=109010101-0003, SMD/DIP=SMD
J1: library part 1010902-0125, "PH2.0_2AWR 卧,贴片卧式,母头,单排,2针2.0mm", Part Name=PH座, ID=27, Part Number=1010902-0125, SMD/DIP=SMD
J3: "Header, 5-Pin"
J4: library part 1010902-0121, "1.25-6AWR 卷,6针1.25mm,母头,单排,贴片卧式", Part Name=插座, ID=32, Part Number=1010902-0121, SMD/DIP=SMD
J6 P2: library part 1010902-0105, "2.0-2AW,直插弯座，2PIN，脚间距2mm，带防翘起,公头,单排,2.0-2AW;直插弯座，2PIN,脚间距2mm，带防翘起", Part Name=PH座, ID=11, Part Number=1010902-0105, SMD/DIP=DIP
J10: "Header, 4-Pin", LatestRevisionDate=17-Jul-2002, LatestRevisionNote="Re-released for DXP Platform.", Publisher="Altium Limited"
J11: library part AD_WXHJ_PinHeader_01, "1*4 ，Φ1.0 ，2.54mm，直脚,无需焊接器件", Part Name=排针, ID=16, Part Number=AD_WXHJ_PinHeader_01, SMD/DIP=DIP
K1 K2: library part 1011001-0026, "松涛,6*6*4.3mm,,6*6*4.3mm,点触,,无铅,6*6*4.3mm", Part Name=按键, ID=30, Part Number=1011001-0026, SMD/DIP=SMD
MARK1 MARK2 MARK3: library part AD_WXHJ_MARK_01, "MARK点", ID=8, Part Name=MARK点, Part Number=AD_WXHJ_MARK_01, SMD/DIP=SMD
P1: library part 202020302-0019, "UJ-B1,,无取信,,中文,3.3V,无阀门驱动,I2C", Part Name=LCD液晶屏, ID=16, Part Number=202020302-0019, SMD/DIP=DIP
P3 P10: library part 1010902-0117, "PH2.0-2P,2mm间距,母头,单排,PH2.0-2P", Part Name=PH座, ID=30, Part Number=1010902-0117, SMD/DIP=DIP
P5 P6: library part 1011101-0203, "F0005Q-LF,1200 mA*h,0,3.6 V,带连接片,1/2AA,不能充电,85 ℃,-60 ℃,ER14250,惠州亿纬锂能股份有限公司", Part Name=锂电池, ID=25, Part Number=1011101-0203, SMD/DIP=DIP
Q2 Q30: library part 101040201-0010, "RZR040P01TL；1.5v导通,P-MOS,SOT-23,罗姆,RZR040P01TL", Part Name=PMOS管, ID=18, Part Number=101040201-0010, SMD/DIP=SMD
Q3 Q5 Q6 Q7 Q10 Q11 Q12 Q17: library part 101040201-0001, "9012,PNP,SOT-23,JCET;长电,S9012", Part Name=贴片三极管, Part Number=101040201-0001, SMD/DIP=SMD
  Q3 Q5 Q6 Q7 Q10 Q11 Q17: ID=17
  Q12: ID=16
Q4 Q9 Q13 Q16 Q31: library part 101040201-0002, "9013,NPN,SOT-23,长电,S9013", Part Name=贴片三极管, ID=15, Part Number=101040201-0002, SMD/DIP=SMD
Q8 Q23: library part 101040201-0013, "UT3401ZG,P-MOS,SOT-23,UTC,UT3401ZG", Part Name=功率MOS管, Part Number=101040201-0013, SMD/DIP=SMD
  Q8: ID=18
  Q23: ID=19
Q25: library part 1010502-0045, Part Name=贴片光耦, ID=31, Part Number=1010502-0045
Q26 Q27 Q28 Q29: library part 101040201-0012, Part Name=NMOS管, ID=16, Part Number=101040201-0012, SMD/DIP=SMD
R1 R32 R55 R97 R100: library part 101010103-0002, "国巨,±5%,0603,,155 ℃,-55 ℃,RC0603JR-071ML,无铅,200 ppm/℃,1/10W,,1M", Part Name=0603贴片电阻, Part Number=101010103-0002, SMD/DIP=SMD
  R1 R32: ID=11
  R55 R97 R100: ID=10
R3 R17 R22 R27 R37 R44 R45 R62 R88 R93 R108: library part 101010103-0006, "国巨,±5%,0603,,155 ℃,-55 ℃,RC0603JR-073KL,无铅,100 ppm/℃,1/10W,,3K", Part Name=0603贴片电阻, Part Number=101010103-0006, SMD/DIP=SMD
  R3 R27 R37 R44 R45 R62 R108: ID=22
  R17 R22 R88: ID=27
  R93: ID=23
R9 R19: library part 101010103-0037, "国巨,±5%,0603,,155 ℃,-55 ℃,RC0603JR-0751RL,无铅,100 ppm/℃,1/10W,,51欧", Part Name=0603贴片电阻, Part Number=101010103-0037, SMD/DIP=SMD
  R9: ID=29
  R19: ID=34
R12 R13 R95 R96: library part 101010103-0015, "国巨,±5%,0603,,155 ℃,55 ℃,RC0603JR-075.1KL,无铅,200 ppm/℃,1/10W,,5.1k", Part Name=0603贴片电阻, ID=27, Part Number=101010103-0015, SMD/DIP=SMD
R14 R85 R91: library part 101010103-0025, "国巨,±5%,0603,,155 ℃,-55 ℃,RC0603JR-072ML,含铅,100 ppm/℃,1/10W,,2M", Part Name=0603贴片电阻, ID=20, Part Number=101010103-0025, SMD/DIP=SMD
R21 R92: library part 101010103-0034, "200K,±5%,1/10W,0603,国巨,RC0603JR-07200KL", Part Name=0603贴片电阻, ID=13, Part Number=101010103-0034, SMD/DIP=SMD
R28: library part 101010103-0017, "10R,±5%,1/10W,0603,国巨,RC0603JR-0710RL", Part Name=0603贴片电阻, ID=8, Part Number=101010103-0017, SMD/DIP=SMD
R31 R35: library part 101010103-0003, "10K±5%,1/10W,0603", Part Name=0603贴片电阻, ID=32, Part Number=101010103-0003
R33 R34 R99 R101 R103 R116: library part 101010103-0008, "1K,±5%,1/10W,0603,国巨,RC0603JR-071KL", Part Name=0603贴片电阻, ID=10, Part Number=101010103-0008, SMD/DIP=SMD
R36 R41 R50 R56 R57 R78 R80 R81 R82 R94: library part 101010103-0004, "国巨,±5%,0603,,155 ℃,-55 ℃,RC0603JR-0720KL,无铅,200 ppm/℃,1/10W,,20K", Part Name=0603贴片电阻, Part Number=101010103-0004, SMD/DIP=SMD
  R36 R41 R50 R56 R57 R80 R81 R82 R94: ID=15
  R78: ID=16
R39 R40 R53 R54 R70 R73 R74 R75: library part 101010103-0003, "国巨,±5%,0603,,155 ℃,-55 ℃,RC0603JR-0710KL,无铅,200 ppm/℃,1/10W,,10K", Part Name=0603贴片电阻, Part Number=101010103-0003, SMD/DIP=SMD
  R39 R40: ID=5
  R53 R54 R70 R73 R74 R75: ID=7
R42: library part 101010101-0013, "0Ω,±5%,1/4W,1206,国巨,RC1206JR-070RL", Part Name=1206贴片电阻, ID=2, Part Number=101010101-0013, SMD/DIP=SMD
R46 R87 R106 R120 R121 R122: library part 101010103-0001, "国巨,±5%,0603,,155 ℃,-55 ℃,RC0603J2-070RL,无铅,200 ppm/℃,1/10W,,0R", Part Name=0603贴片电阻, ID=1, Part Number=101010103-0001, SMD/DIP=SMD
R47 R49 R66 R104 R105: library part 101010103-0022, "100R,±5%,1/10W,0603,国巨,RC0603JR-07100RL", Part Name=0603贴片电阻, Part Number=101010103-0022, SMD/DIP=SMD
  R47 R66 R104 R105: ID=5
  R49: ID=4
R51: library part 101010101-0029, "51Ω,±5%,1/4W,1206,国巨,RC1206JR-0751RL", Part Name=1206贴片电阻, ID=28, Part Number=101010101-0029, SMD/DIP=SMD
R60 R67: library part 101010103-0012, "47K,±5%,1/10W,0603,国巨,RC0603JR-0747KL", Part Name=0603贴片电阻, Part Number=101010103-0012, SMD/DIP=SMD
  R60: ID=25
  R67: ID=30
R86: library part 101010103-0005, "国巨,±5%,0603,,155 ℃,-55 ℃,RC0603JR-07100KL,无铅,100 ppm/℃,1/10W,,100K", Part Name=0603贴片电阻, ID=3, Part Number=101010103-0005, SMD/DIP=SMD
R90: library part 101010103-0008, "1K±5%,1/10W,0603", Part Name=0603贴片电阻, ID=38, Part Number=101010103-0008
S3: library part 1011001-0041, "CSX-SEN-660B,垂直30°开关转换,3*5.2mm,360°任意方位倾斜检测,杭州航特科技有限公司", Part Name=倾斜开关, ID=33, Part Number=1011001-0041, SMD/DIP=SMD
TVS1 TVS2: library part 101040101-0024, "SMBJ6.0CA,DO-214AA,10.3 V,6.0 V,600 W,58.3 A,800 uA,上海君耀电子有限公司,SMBJ6.0CA", Part Name=TVS管, ID=23, Part Number=101040101-0024, SMD/DIP=SMD
TVS3: library part SMAJ5.0CA_C693487, BOM_JLCPCB Part Class="Extended Part", BOM_Manufacturer=FTR, BOM_Manufacturer Part=SMAJ5.0CA, BOM_Supplier=LCSC, BOM_Supplier Part=C693487, Contributor=LCSC, spicePre=D, spiceSymbolName=SMAJ5.0CA_C693487
U1: library part 101050101-0060, "DRV8837DSGR,S-PWSON-N8,TI,DRV8837DSGR", Part Name=驱动芯片, ID=25, Part Number=101050101-0060, SMD/DIP=SMD
U2: library part 101050101-0028, "MX25L3206EM2I-12G,SOP-8,旺宏电子,MX25L3206EM2I-12G", Part Name=存储芯片, ID=14, Part Number=101050101-0028, SMD/DIP=SMD
U4: library part 1010503-0028, "CE6232A50P,CE6232A50P,SOT89-3,8 V,1.8 V,0.11 V,5 V,500mA,0.8 uA,南京芯力微电子有限公司", Part Name=贴片稳压器, ID=6, Part Number=1010503-0028, SMD/DIP=SMD
U5: library part AD_XN_ESAM_01, "ESAM虚拟器件", Part Name=ESAMоƬ, ID=11, Part Number=AD_XN_ESAM_01, SMD/DIP=SMD
U9: library part 1010503-0029, "CE6232-3.3,CE6232-3.3,SOT89-3,8V,1.8V,0.11V,3.3V,300mA,0.8uA,南京芯力微电子有限公司", Part Name=线性稳压芯片, ID=5, Part Number=1010503-0029, SMD/DIP=SMD
U12: library part 101040101-0003, Part Name=红外接收头, ID=39, Part Number=101040101-0003, SMD/DIP=DIP
U13: library part 1011402-0194, "北高智蓝牙模块DB809", Part Name=蓝牙模块, ID=15, Part Number=1011402-0194, SMD/DIP=SMD
U14: library part 1011301-0022, "HP303B,4.7mm*3.7mm,惠贻华普,HP303B,含铅", Part Name=HP303B温压传感器, ID=27, Part Number=1011301-0022, SMD/DIP=SMD
U25: library part Component_1
U26: library part 1010504-0002, "S-5712ACDL1,SOT23-3,3.5 V,1.6 V,2 uA,精工电子,S-5712ACDL1", Part Name=霍尔元件, ID=2, Part Number=1010504-0002, SMD/DIP=SMD
Y1: library part 1010601-0009, "SCX3215(SCX3213089);32.768kHz;精度20%;负载电容12.5pF,3215,32.768kHz,0.03 ppm/℃,无源,Q-SC32S03220C5AAAF,SCX3215", Part Name=贴片晶振, ID=19, Part Number=1010601-0009, SMD/DIP=SMD
U19: Symbol=R5478N102CD-TR-FF

## Via types
v1: diameter 0.508, hole 0.305, Top Layer to Bottom Layer, tented both sides, 835 vias

## Nets (pads, with @x,y where several pads share a name; then routed paths per layer and width w, separated by ;. In a path a pad name is that pad's centre, name@x,y a point inside that pad or via, vN(x,y) a via of type N, cw(c..) or ccw(c..) an arc to the next point about the centre after c; other vN are vias at no path point)
5V: 5V.1 C10.2 D11.1 D15.1 R42.2 R106.2 U1.1 U4.3 | length 10.6
  Top Layer w1.016: R42.2@11.836,51.329 14.543,51.329 ; U4.3@14.543,52.603 14.543,51.329 ; 15.494,50.378 14.543,51.329
  Top Layer w1.27: 5V.1@-1.841,43.509 0.61,43.509
  Bottom Layer w0.254: U1.1@17.235,9.718 17.235,9.207 17.551,8.89 18.274,8.89 C10.2@19.088,8.076
  other v1: 20.523,7.544 20.218,8.052 21.006,8.052 0.686,43.129 0,43.459 0.635,43.917 20.015,49.886 19.583,50.571 20.371,50.571
119: C38.1 C80.1 FB1.1 Q25.4 U3.15 | length 89.5
  Top Layer w0.254: U3.15@74.483,63.595 77.731,63.595 v1(77.839,63.703) ; FB1.1@77.661,7.568 C80.1@77.661,10.565 ; C80.1@77.674,10.565 77.674,11.151 78.054,11.532 81.839,11.532 84.454,8.916 Q25.4@86.042,8.916 87.733,8.916 v1(88.189,9.373)
  Bottom Layer w0.254: v1(77.839,63.703) 77.839,63.677 78.157,63.359 78.157,40.802 78.69,40.268 ; 78.69,40.235 80.089,38.836 93.042,38.836 93.498,38.379 93.498,24.461 88.544,19.507 88.544,9.728 v1(88.189,9.373)
ANI9: C35.1 R82.1 U3.57 | length 90.9
  Top Layer w0.254: U3.57@61.283,58.095 v1(63.144,58.095)
  Bottom Layer w0.254: R82.1@14.834,13.487 R82.1@14.845,13.499 ; R82.1@15.113,13.487 C35.1@15.113,14.873 ; C35.1@15.113,14.884 15.9,14.884 16.519,14.266 16.55,14.266 16.997,13.819 16.997,13.788 17.678,13.106 20.538,13.106 21.757,11.887 28.988,11.887 30.41,10.465 42.036,10.465 46.913,15.342 49.169,15.342 54.331,20.503 54.331,26.619 57.506,29.794 57.506,36.932 60.147,39.573 60.147,45.949 64.567,50.368 64.567,56.673 v1(63.144,58.095)